# Altium PCB Controller.PcbDoc (part 2 of 2)
Units mm, origin at the board's own origin, x right, y up, seen from the top; angles counter-clockwise.
Board outline 100.09 x 134.06 mm, 4 copper layers (Top Layer, Signal Layer 1, Signal Layer 2, Bottom Layer), stack 1.55 mm thick; 184 components, 118 nets, 574 pads, 224 vias.
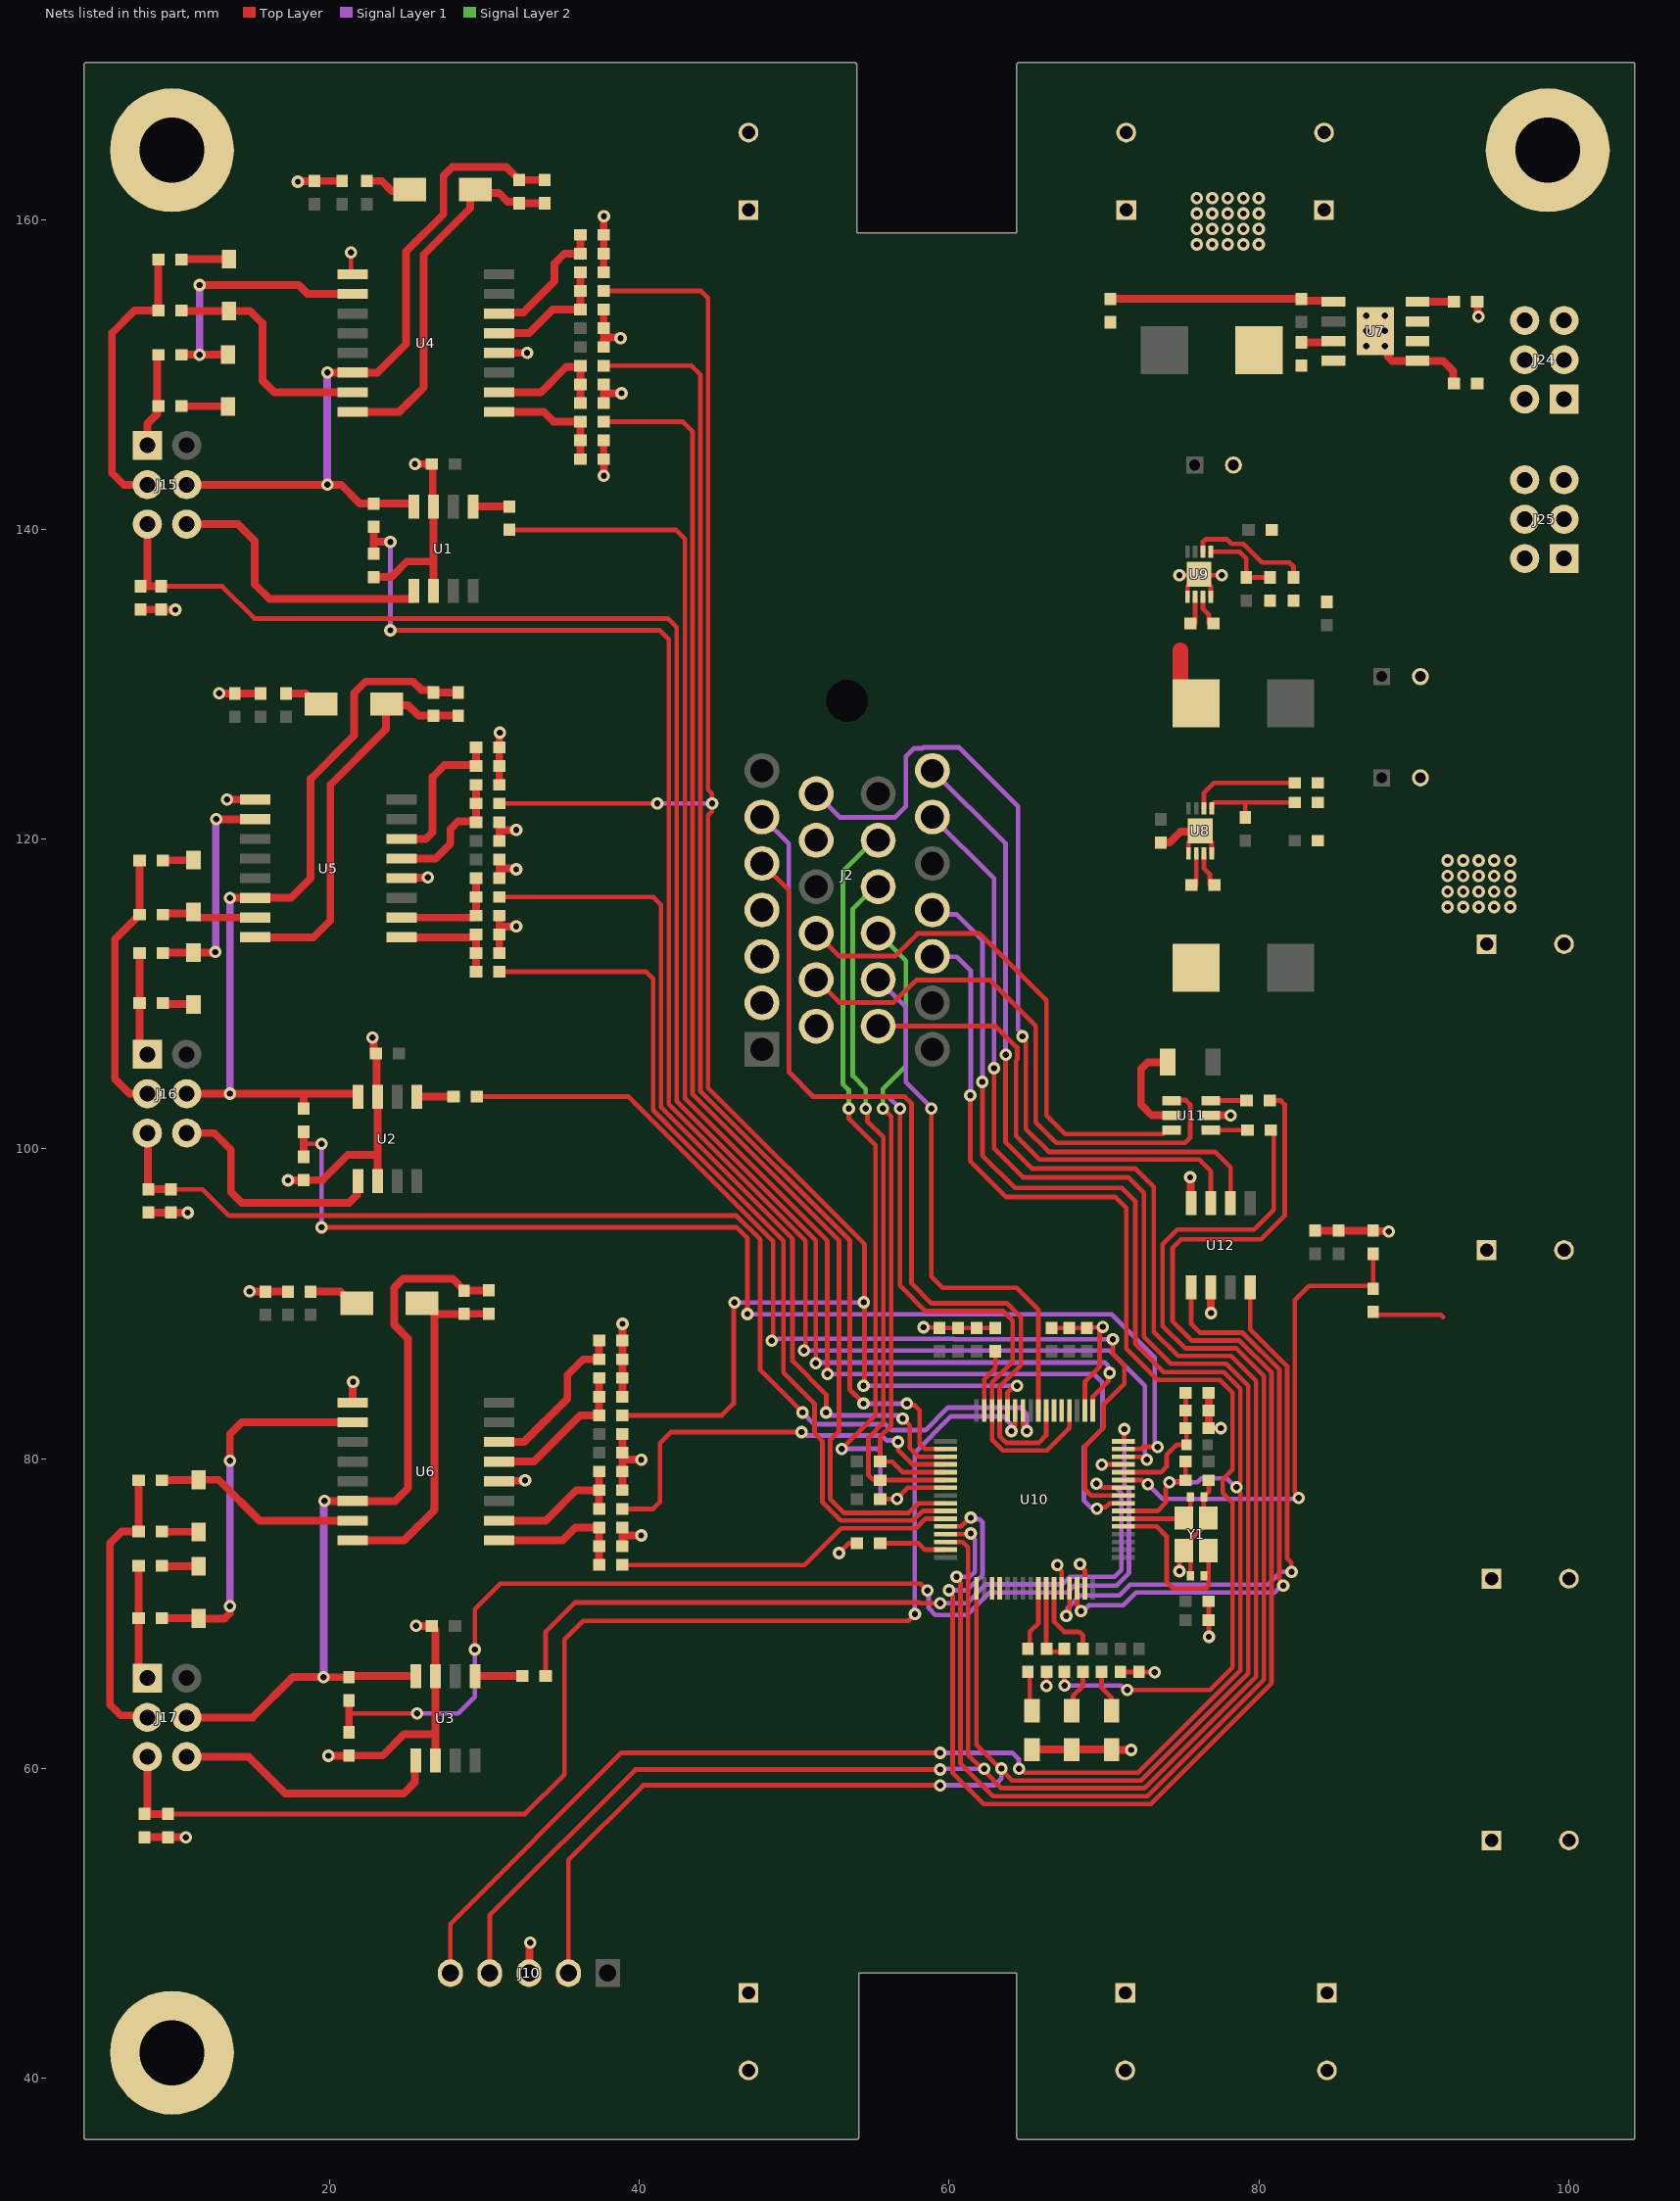
[diagram p4: the nets of this part, all layers, seen from the top]

## Via types
v1: diameter 0.8, hole 0.4, Top Layer to Bottom Layer, tented both sides, 224 vias

## Nets (pads, with @x,y where several pads share a name; then routed paths per layer and width w, separated by ;. In a path a pad name is that pad's centre, name@x,y a point inside that pad or via, vN(x,y) a via of type N, cw(c..) or ccw(c..) an arc to the next point about the centre after c; other vN are vias at no path point) (continued)
CAN_RX: U10.61 U12.4 | length 36.9
  Top Layer w0.3: 67.77,70.241 U10.61@67.77,71.646 ; U12.4@79.438,91.064 79.438,88.354 81.819,85.973 81.819,73.584 82.1,73.304 82.1,72.713 v1(82.105,72.707)
  Signal Layer 1 w0.3: v1(67.564,69.85) 67.643,69.929 67.643,70.373 68.453,71.183 70.993,71.183 71.683,71.874 80.564,71.874 81.398,72.707 v1(82.105,72.707)
CAN_TX: U10.62 U12.1 | length 38.6
  Top Layer w0.3: U10.62@68.27,71.646 68.27,70.549 68.516,70.303 v1(68.516,70.167) ; U12.1@75.629,91.064 75.629,88.709 76.2,88.138 78.948,88.138 81.319,85.766 81.319,72.204 81.569,71.954 v1(81.569,71.818)
  Signal Layer 1 w0.3: v1(68.516,70.167) 68.652,70.167 69.033,70.548 71.247,70.548 72.072,71.374 81.017,71.374 81.461,71.818 v1(81.569,71.818)
CANH: J2.14 U12.7 | length 30.8
  Top Layer w0.3: J2.14@55.428,107.928 63.015,107.928 64.405,106.537 64.405,105.772 64.325,105.693 64.325,100.829 65.841,99.314 76.137,99.314 76.898,98.552 U12.7@76.898,96.515
CANL: J2.13 U12.6 | length 56.6
  Top Layer w0.3: v1(64.729,107.274) 64.729,107.139 64.96,106.907 64.96,101.283 66.429,99.814 77.161,99.814 78.168,98.806 U12.6@78.168,96.515
  Signal Layer 1 w0.3: J2.13@51.428,122.928 52.953,121.403 56.506,121.403 57.213,122.11 57.213,125.349 57.721,125.857 58.272,125.857 58.338,125.923 60.64,125.923 64.453,122.111 64.453,107.685 64.729,107.409 v1(64.729,107.274)
DISABLE: R23.1 R35.1 R47.1 U10.28 | length 129.6
  Top Layer w0.3: R35.1@30.976,122.301 v1(41.168,122.301) ; R23.1@37.707,155.384 44.006,155.384 44.45,154.94 44.45,123.18 44.688,122.942 44.688,122.39 44.713,122.365 44.694,122.345 44.694,121.783 44.45,121.539 44.45,103.949 54.546,93.853 54.546,84.784 v1(54.483,84.721) ; R47.1@38.914,82.804 45.339,82.804 46.101,83.566 46.101,90.043 v1(46.149,90.091) ; U10.28@63.77,83.121 63.77,84.281 64.115,84.625 64.286,84.625 v1(64.382,84.721)
  Signal Layer 1 w0.3: v1(41.168,122.301) v1(44.713,122.301) ; v1(46.149,90.091) 46.153,90.095 50.318,90.095 50.322,90.091 54.476,90.091 v1(54.492,90.107) ; v1(54.483,84.721) v1(64.382,84.721)
DM: J2.9 U11.4 | length 37
  Top Layer w0.3: J2.9@51.428,110.928 52.903,109.453 56.43,109.453 57.88,110.903 62.643,110.903 65.596,107.95 65.596,101.727 66.929,100.393 75.248,100.393 75.565,100.711 75.565,102.87 75.278,103.157 74.414,103.157 U11.4@74.378,103.122
DP: J2.10 U11.6 | length 34
  Top Layer w0.3: J2.10@51.428,113.928 52.903,112.453 56.509,112.453 57.959,113.903 61.992,113.903 66.294,109.601 66.294,102.172 67.501,100.965 73.822,100.965 74.078,101.221 U11.6@74.378,101.221
ENCO_COS: J2.3
ENCO_SIN: J2.2
GND: C1.2 C2.2 C3.2 C4.1 C5.1 C6.1 C7.2 C8.2 C9.1 C10.1 C11.1 C12.2 C15.2 C16.2 C17.2 C18.1 C19.1 C20.1 C21.1 C22.1 C25.2 C26.2 C27.2 C28.1 C29.1 C30.1 C31.1 C32.1 C35.2 C36.2 C37.2 C38.1 C39.1 C40.1 C41.1 C42.1 C43.2 C44.2 C45.2 C46.2 C47.2 C48.2 C49.2 C61.1 C62.1 C63.1 C64.1 C65.1 C66.1 C67.1 C68.1 C69.1 C70.1 C71.1 C76.1 C77.1 C78.1 C79.1 C81.1 C82.1 C84.1 C85.1 C86.1 C87.1 C88.1 C89.1 C90.1 C91.1 C92.1 C93.2 C94.1 D10.1 D11.1 D12.1 J2.4 J2.8 J2.12 J10.3 J25.1 J25.2 J25.3 J25.4 J25.5 J25.6 pad.3 R8.1 R9.1 R10.1 R11.1 R12.1 R13.1 R14.1 R18.2 R19.2 R20.2 R24.1 R30.2 R31.2 R32.2 R36.1 R42.2 R43.2 R44.2 R48.1 R67.2 R69.2 R71.1 R72.1 U1.2 U1.7 U2.2 U2.7 U3.2 U3.7 U4.4 U4.9 U5.4 U5.9 U6.4 U6.9 U7.1 U7.9 U8.5 U8.8 U8.9 U9.5 U9.8 U9.9 U10.13 U10.18 U10.60 U10.63 U11.2 U12.2 U12.8 Y1.2 Y1.4 | length 178.8
  Top Layer w0.3: v1(17.97,162.433) v1@17.996,162.459 ; C21.1@19.024,162.459 C21.1@19.05,162.485 ; v1(21.399,157.861) 21.399,156.565 U4.9@21.501,156.464 ; v1(52.895,73.914) 53.531,74.549 C91.1@54.05,74.549 ; v1(58.356,88.495) 58.382,88.469 59.422,88.469 59.448,88.444 C61.1@61.785,88.444 C90.1@62.992,88.444 ; v1(66.294,65.341) C94.1@66.294,66.242 ; C63.1@66.611,88.444 C67.1@67.564,88.444 ; v1(66.992,73.152) 66.992,73.023 67.27,72.745 U10.60@67.27,71.646 ; C67.1@67.714,88.268 67.89,88.444 C62.1@68.897,88.444 68.935,88.481 69.685,88.481 69.723,88.444 69.838,88.444 v1(69.913,88.519) ; v1(68.453,73.215) 68.453,73.126 68.77,72.809 U10.63@68.77,71.646 ; U10.18@68.77,83.121 68.77,84.995 69.723,85.948 v1@69.723,88.328 ; v1(69.85,79.629) 69.855,79.634 U10.13@71.258,79.634 ; C64.1@71.056,66.242 C68.1@72.263,66.242 72.269,66.236 73.273,66.236 v1(73.279,66.23) ; v1(74.867,72.751) 74.867,73.791 Y1.4@75.146,74.07 ; v1(74.867,137.033) U9.9@76.073,137.033 ; U9.5@75.386,135.647 75.386,136.346 U9.9@76.073,137.033 ; U8.5@75.454,119.084 75.454,119.783 76.155,120.484 U8.9@76.204,120.534 76.954,119.783 U8.8@76.954,119.084 ; C87.1@75.577,72.453 75.577,73.639 Y1.4@75.146,74.07 ; C65.1@76.76,70.802 C69.1@76.76,69.596 76.766,69.59 76.766,68.522 v1(76.772,68.516) ; C92.1@76.76,78.613 76.76,77.859 76.584,77.683 76.517,77.683 76.442,77.608 C93.2@76.442,77.533 76.442,76.475 Y1.2@76.746,76.171 76.296,75.72 76.296,75.476 75.596,74.776 75.596,74.521 Y1.4@75.146,74.07 ; C76.1@76.76,81.978 v1(77.545,81.978) ; U9.8@76.887,135.647 76.887,136.346 U9.9@76.327,136.906 ; v1(77.597,137.033) 76.454,137.033 U9.9@76.327,136.906 ; U9.9@76.073,137.033 U9.9@76.136,137.096 U9.9@76.327,136.906
  Top Layer w0.5: C9.1@7.81,134.822 R12.1@9.144,134.822 9.156,134.81 v1@9.906,134.81 ; R14.1@8.064,55.574 C11.1@9.588,55.574 10.72,55.574 v1@10.731,55.562 ; C10.1@8.319,95.897 8.324,95.891 10.853,95.891 v1(10.858,95.885) ; v1(12.89,129.413) 12.896,129.407 13.901,129.407 C31.1@13.906,129.401 C32.1@15.557,129.401 ; v1(13.399,122.555) U5.9@15.214,122.555 ; v1(14.859,90.805) 14.865,90.799 15.869,90.799 C42.1@15.875,90.793 C41.1@17.335,90.793 ; v1(17.335,97.98) 17.341,97.986 18.346,97.986 R9.1@18.351,97.992 19.57,97.992 21.209,99.631 23.114,99.631 ; v1@17.996,162.459 C21.1@19.024,162.459 ; C21.1@19.05,162.485 C22.1@20.828,162.485 ; v1(19.939,60.833) 19.945,60.839 21.267,60.839 R10.1@21.273,60.845 23.443,60.845 24.828,62.23 26.86,62.23 ; U6.9@21.501,83.629 21.501,85.001 v1@21.526,85.026 ; v1(22.796,107.188) 22.854,107.131 22.854,106.297 22.979,106.172 C5.1@22.999,106.172 23.056,106.114 23.056,103.43 U2.7@23.114,103.373 23.114,99.631 ; R8.1@22.86,136.918 22.866,136.912 23.997,136.912 25.007,137.922 26.733,137.922 ; U2.2@23.114,97.922 23.114,99.631 ; U5.4@24.664,117.475 24.696,117.507 26.321,117.507 v1(26.352,117.538) ; v1(25.527,144.208) C4.1@26.618,144.208 26.676,144.151 26.676,141.53 U1.7@26.733,141.473 26.733,137.922 ; v1(25.59,69.215) C6.1@26.618,69.215 ; U1.2@26.733,136.022 26.733,137.922 ; U3.2@26.86,60.521 26.86,62.23 ; C6.1@26.86,68.998 U3.7@26.86,65.971 26.86,62.23 ; U6.4@30.95,78.549 30.982,78.581 32.607,78.581 v1(32.639,78.613) ; U4.4@30.95,151.384 v1(32.766,151.384) ; R32.2@30.976,112.649 C27.2@30.976,113.855 30.976,114.363 ; C26.2@30.976,115.062 30.976,114.363 ; R31.2@30.976,117.475 30.976,118.173 31.046,118.104 32.01,118.104 v1(32.067,118.046) ; C30.1@30.976,119.888 30.976,120.586 v1(32.067,120.586) ; R30.2@30.976,123.507 R36.1@30.976,124.714 C28.1@30.976,125.92 30.976,126.925 v1@30.988,126.936 ; v1(32.067,114.363) 30.976,114.363 ; J10.3@32.893,46.799 32.925,46.831 32.925,48.736 v1(32.956,48.768) ; R20.2@37.707,145.733 C17.2@37.707,144.526 37.713,144.52 37.713,143.452 v1(37.719,143.446) ; C16.2@37.707,148.145 37.707,148.844 37.771,148.78 v1(38.862,148.78) ; C20.1@37.707,151.765 37.707,152.463 ; C15.2@37.707,154.178 C19.1@37.707,152.971 37.707,152.463 ; R18.2@37.707,156.591 C18.1@37.707,159.004 37.707,160.262 v1@37.719,160.274 ; v1(38.798,152.336) 38.741,152.394 37.777,152.394 37.707,152.463 ; R44.2@38.914,74.358 38.914,75.057 v1(40.132,75.057) ; R43.2@38.914,77.978 C36.2@38.914,79.184 38.914,79.883 ; C40.1@38.914,81.597 C39.1@38.914,80.391 38.914,79.883 ; R42.2@38.914,84.01 C35.2@38.914,85.217 C38.1@38.914,86.423 R48.1@38.914,87.63 38.92,87.636 38.92,88.704 v1(38.925,88.709) ; v1(40.132,79.946) 38.977,79.946 38.914,79.883 ; D11.1@65.346,61.234 D10.1@67.917,61.234 D12.1@70.489,61.234 70.509,61.214 v1(71.755,61.214) ; C84.1@73.66,119.773 73.66,119.778 74.241,119.778 74.947,120.484 U8.9@76.155,120.484 ; v1(75.565,98.171) 75.597,98.139 75.597,96.546 U12.8@75.629,96.515 ; C76.1@76.76,81.978 C77.1@76.76,83.121 C78.1@76.76,84.264 ; U11.2@76.879,102.171 v1(78.168,102.171) ; v1(76.898,89.408) U12.2@76.898,91.064 ; C88.1@83.629,94.73 R11.1@87.376,94.73 87.402,94.704 88.366,94.704 v1(88.392,94.678) ; 88.304,151.169 88.597,150.876 U7.1@90.233,150.876 91.885,150.876 92.552,150.208 92.552,149.463 C71.1@92.583,149.432 ; R71.1@94.095,154.686 94.133,154.648 94.133,153.771 v1(94.17,153.733)
  other v1: 10.741,55.563 21.536,84.964 30.997,126.874 10.063,134.805 86.931,151.828 88.138,151.828 86.931,152.813 88.138,152.813 86.931,153.797 88.138,153.797 37.722,160.205
HALL_U: J2.16 R80.1 U10.37 | length 40.5
  Top Layer w0.3: v1(55.732,102.616) 56.261,102.087 56.261,82.129 55.551,81.419 R80.1@55.551,79.819 56.325,79.819 57.011,79.133 U10.37@59.782,79.133
  Signal Layer 2 w0.3: J2.16@55.428,113.928 57.213,112.142 57.213,105.346 55.732,103.865 v1(55.732,102.616)
HALL_V: J2.17 R81.1 U10.38 | length 45.1
  Top Layer w0.3: v1(54.631,102.616) 54.727,102.52 54.727,101.801 55.761,100.766 55.761,82.336 54.801,81.376 54.801,78.93 55.054,78.676 55.528,78.676 55.571,78.634 U10.38@59.782,78.634
  Signal Layer 2 w0.3: v1@54.62,102.616 54.62,103.876 53.785,104.712 53.785,115.506 55.206,116.928 J2.17@55.428,116.928
HALL_W: J2.18 R82.1 U10.39 | length 53.2
  Top Layer w0.3: v1(53.074,80.645) 55.261,82.832 55.261,100.245 54.097,101.409 53.53,101.976 v1(53.53,102.616) ; R82.1@55.551,77.406 v1(56.642,77.406) 56.642,77.446 57.329,78.134 U10.39@59.782,78.134
  Signal Layer 1 w0.3: v1(53.074,80.645) 55.395,80.645 55.571,80.469 55.571,77.715 55.88,77.406 v1(56.642,77.406)
  Signal Layer 2 w0.3: v1(53.53,102.616) 53.53,103.823 53.149,104.204 53.149,117.919 55.158,119.928 J2.18@55.428,119.928
ISENSE_U: R1.2 U10.8 | length 98.3
  Top Layer w0.3: R1.2@31.623,139.966 42.369,139.966 42.95,139.385 42.95,103.269 52.145,94.074 v1(52.145,85.471) ; v1(69.532,76.771) 69.628,76.867 70.109,76.867 70.376,77.134 U10.8@71.258,77.134
  Signal Layer 1 w0.3: v1(52.145,85.471) 69.342,85.471 69.913,84.899 69.913,81.978 68.707,80.772 68.707,77.28 69.119,76.867 69.437,76.867 v1(69.532,76.771)
ISENSE_V: R2.2 U10.9 | length 65.2
  Top Layer w0.3: R2.2@29.516,103.378 39.306,103.378 42.455,100.229 48.641,94.043 48.641,87.709 v1(48.562,87.63) ; v1(70.574,87.713) 70.574,86.779 71.31,86.043 71.31,84.836 69.977,83.502 69.977,82.042 68.77,80.835 68.77,78.042 69.179,77.633 U10.9@71.258,77.633
  Signal Layer 1 w0.3: v1(48.562,87.63) 48.657,87.726 48.968,87.726 48.987,87.745 60.323,87.745 60.355,87.713 v1(70.574,87.713)
ISENSE_W: R3.2 U10.10 | length 49.9
  Top Layer w0.3: R3.2@33.961,65.976 33.961,68.822 35.866,70.728 58.105,70.728 58.157,70.675 v1(59.436,70.675) ; 69.906,78.134 U10.10@71.258,78.134
  Signal Layer 1 w0.3: v1(59.436,70.675) 61.151,70.675 62.375,71.9 67.328,71.9 67.812,72.384 70.669,72.384 71.12,72.834 71.12,77.781 70.768,78.134 69.906,78.134 69.656,78.384 v1(69.521,78.384)
LED_GREEN: R74.2 U10.57 | length 4.1
  Top Layer w0.3: R74.2@65.215,67.743 65.215,68.834 65.77,69.39 U10.57@65.77,71.646
LED_RED: R73.2 U10.59 | length 5.2
  Top Layer w0.3: U10.59@66.77,71.646 66.77,69.501 67.437,68.834 68.389,68.834 68.644,68.58 R73.2@68.644,67.806
MISO_ADC_EXT2: U10.22
NetC13_2: C13.2 C14.2 D1.C U4.16 | length 24.1
  Top Layer w0.5: U4.16@21.501,147.574 24.511,147.574 26.098,149.161 26.098,157.734 29.082,160.718 29.082,161.425 29.348,161.69 29.654,161.69 D1.C@29.42,161.925 ; D1.C@29.845,161.718 30.937,161.718 31.515,161.14 32.166,161.14 C13.2@32.258,161.048 C14.2@33.909,161.048
NetC15_1: C15.1 R18.1 R23.2 U4.5 | length 8.3
  Top Layer w0.5: U4.5@30.95,152.654 32.893,152.654 34.417,154.178 C15.1@36.207,154.178 R23.2@36.207,155.384 R18.1@36.207,156.591
NetC16_1: C16.1 R19.1 R22.2 U4.2 | length 8.4
  Top Layer w0.5: U4.2@30.95,148.844 33.655,148.844 35.306,150.495 36.144,150.495 R22.2@36.207,150.558 C16.1@36.207,148.145
NetC17_1: C17.1 R20.1 R21.2 U4.1 | length 7.9
  Top Layer w0.5: U4.1@30.95,147.574 33.846,147.574 34.48,146.939 R21.2@36.207,146.939 C17.1@36.207,144.526
NetC18_2: C18.2 R24.2 U4.6 | length 8.7
  Top Layer w0.5: U4.6@30.95,153.924 31.026,153.999 32.524,153.999 34.544,156.019 34.544,157.162 35.179,157.797 R24.2@36.207,157.797 C18.2@36.207,159.004
NetC23_2: C23.2 C24.2 D4.C U5.16 | length 25.6
  Top Layer w0.5: U5.16@15.214,113.665 18.986,113.665 20.066,114.744 20.066,123.507 23.645,127.086 D4.C@23.645,128.67 ; D4.C@23.705,128.714 23.772,128.647 25.086,128.647 25.769,127.964 C23.2@26.733,127.964 C24.2@28.321,127.964
NetC25_1: C25.1 R30.1 R35.2 U5.5 | length 8.7
  Top Layer w0.5: U5.5@24.664,118.745 26.86,118.745 27.813,119.697 27.813,120.65 28.321,121.158 29.414,121.158 29.476,121.22 R35.2@29.476,122.301 R30.1@29.476,123.507
NetC26_1: C26.1 R31.1 R34.2 U5.2 | length 7.3
  Top Layer w0.5: U5.2@24.664,114.935 29.324,114.935 29.451,115.062 C26.1@29.476,115.062 R34.2@29.476,116.268 R31.1@29.476,117.475
NetC27_1: C27.1 R32.1 R33.2 U5.1 | length 7.3
  Top Layer w0.5: U5.1@24.664,113.665 29.26,113.665 29.451,113.855 29.476,113.83 R32.1@29.476,112.649 R33.2@29.476,111.442
NetC28_2: C28.2 R36.2 U5.6 | length 10.1
  Top Layer w0.5: U5.6@24.664,120.015 26.226,120.015 26.67,120.459 26.67,124.015 27.432,124.777 29.412,124.777 R36.2@29.476,124.714 C28.2@29.476,125.92
NetC33_2: C33.2 C34.2 D7.C U6.16 | length 23.3
  Top Layer w0.5: U6.16@21.501,74.739 24.828,74.739 26.797,76.708 26.797,89.543 26.297,90.043 D7.C@25.991,90.043 ; D7.C@26.987,89.356 C34.2@28.702,89.356 28.708,89.363 30.283,89.363 C33.2@30.29,89.369
NetC35_1: C35.1 R42.1 R47.2 U6.5 | length 9.7
  Top Layer w0.5: U6.5@30.95,79.819 33.21,79.819 36.195,82.804 R47.2@37.413,82.804 ; 37.401,83.185 37.413,83.197 R42.1@37.413,84.01 C35.1@37.413,85.217
NetC36_1: C36.1 R43.1 R46.2 U6.2 | length 9.7
  Top Layer w0.5: U6.2@30.95,76.009 33.972,76.009 35.941,77.978 R43.1@37.413,77.978 ; R46.2@37.413,76.771 R43.1@37.413,77.978 ; C36.1@37.413,79.184 R43.1@37.413,77.978
NetC37_1: C37.1 R44.1 R45.2 U6.1 | length 9.2
  Top Layer w0.5: U6.1@30.95,74.739 35.052,74.739 35.877,75.565 C37.1@37.413,75.565 R44.1@37.413,74.358 R45.2@37.413,73.152
NetC38_2: C38.2 R48.2 U6.6 | length 10.8
  Top Layer w0.5: U6.6@30.95,81.089 32.575,81.089 35.369,83.883 35.369,85.407 36.386,86.423 C38.2@37.413,86.423 R48.2@37.413,87.63
NetC72_1: C72.1 U7.7 | length 2
  Top Layer w0.5: C72.1@82.804,152.07 84.296,152.07 84.372,152.146 U7.7@84.809,152.146
NetC72_2: C72.2 L1.1 U7.8
NetC74_1: C74.1 L2.1 U8.6 | length 2.1
  Top Layer w0.3: U8.6@75.954,119.084 75.954,117.035 C74.1@75.958,117.03
NetC74_2: C74.2 U8.7 | length 2.2
  Top Layer w0.3: U8.7@76.454,119.084 76.454,118.11 76.835,117.729 76.835,117.043 C74.2@76.823,117.03
NetC75_1: C75.1 L3.1 U9.6 | length 5.6
  Top Layer w0.3: U9.6@75.887,135.647 75.887,133.93 C75.1@75.895,133.921
  Top Layer w1: 74.93,132.193 74.93,129.792 L3.1@75.944,128.778
NetC75_2: C75.2 U9.7 | length 1.9
  Top Layer w0.3: U9.7@76.386,135.647 76.386,134.878 76.759,134.505 C75.2@76.759,133.921
NetC85_2: C85.2 U8.2 | length 7.1
  Top Layer w0.3: U8.2@76.454,121.983 76.454,122.999 77.089,123.634 C85.2@82.308,123.634
NetC86_2: C86.2 U9.2 | length 8
  Top Layer w0.3: U9.2@76.386,138.546 76.386,139.178 76.562,139.354 77.943,139.354 78.232,139.065 78.994,139.065 80.2,137.858 81.978,137.858 82.233,137.604 C86.2@82.233,136.894
NetD1_A: D1.A R15.2 | length 3.9
  Top Layer w0.3: D1.A@24.63,162.485 D1.A@25.19,161.925
  Top Layer w0.5: R15.2@22.415,162.485 23.38,162.485 24.03,161.834 25.099,161.834 D1.A@25.19,161.925
NetD2_A: D2.A R16.1 | length 3.1
  Top Layer w0.5: R16.1@10.466,157.416 10.494,157.445 D2.A@13.525,157.445
NetD2_C: D2.C R17.1 U4.15 | length 15.4
  Top Layer w0.5: R17.1@10.466,154.114 10.48,154.1 13.525,154.1 14.874,154.1 15.684,153.289 15.684,149.606 16.447,148.844 U4.15@21.501,148.844
NetD3_A: D3.A R26.2 | length 3
  Top Layer w0.5: R26.2@10.466,147.955 10.48,147.941 13.448,147.941 D3.A@13.462,147.926
NetD3_C: D3.C R25.2 U4.10 | length 17.7
  Top Layer w0.5: R25.2@10.466,151.257 10.48,151.271 13.448,151.271 D3.C@13.462,151.286 ; v1@11.557,155.765 v1(11.63,155.765) 18.034,155.765 18.605,155.194 U4.10@21.501,155.194
  Signal Layer 1 w0.5: v1(11.63,151.258) v1(11.63,155.765)
NetD4_A: D4.A R27.2 | length 2.6
  Top Layer w0.5: R27.2@17.209,129.401 18.479,129.401 19.165,128.714 D4.A@19.475,128.714
NetD5_A: D5.A R28.1 | length 2
  Top Layer w0.5: R28.1@9.255,118.622 9.269,118.636 11.221,118.636 D5.A@11.235,118.651
NetD5_C: D5.C R29.1 U5.15 | length 6.3
  Top Layer w0.5: R29.1@9.255,115.13 9.336,115.21 11.155,115.21 D5.C@11.235,115.291 11.235,115.151 11.452,114.935 U5.15@15.214,114.935
NetD6_A: D6.A R38.2 | length 2
  Top Layer w0.5: R38.2@9.255,109.41 9.301,109.364 11.189,109.364 D6.A@11.235,109.318
NetD6_C: D6.C R37.2 U5.10 | length 14.5
  Top Layer w0.5: R37.2@9.255,112.649 9.269,112.663 11.221,112.663 D6.C@11.235,112.678 12.602,112.678 v1@12.636,112.712 ; v1(12.7,121.285) U5.10@15.214,121.285
  Signal Layer 1 w0.5: v1(12.646,112.713) 12.673,112.74 12.673,121.258 v1(12.7,121.285)
NetD7_A: D7.A R39.2 | length 3.3
  Top Layer w0.5: R39.2@18.796,90.793 20.701,90.793 21.451,90.043 D7.A@21.761,90.043
NetD8_A: D8.A R40.1 | length 2.4
  Top Layer w0.5: R40.1@9.196,75.311 9.21,75.297 11.543,75.297 D8.A@11.557,75.282
NetD8_C: D8.C R41.1 U6.15 | length 13.4
  Top Layer w0.5: R41.1@9.196,78.613 9.21,78.627 11.543,78.627 D8.C@11.557,78.642 12.862,78.642 15.494,76.009 U6.15@21.501,76.009
NetD9_A: D9.A R50.2 | length 2.4
  Top Layer w0.5: R50.2@9.196,73.088 9.213,73.071 11.54,73.071 D9.A@11.557,73.054
NetD9_C: D9.C R49.2 U6.10 | length 24.3
  Top Layer w0.5: R49.2@9.196,69.723 9.21,69.709 11.543,69.709 D9.C@11.557,69.694 13.243,69.694 13.589,70.04 v1(13.589,70.485) ; v1(13.589,79.883) 13.589,81.597 14.351,82.359 U6.10@21.501,82.359
  Signal Layer 1 w0.5: v1(13.589,70.485) v1(13.589,79.883)
NetD10_2: D10.2 R73.1 | length 3.1
  Top Layer w0.3: D10.2@67.917,63.734 68.008,63.825 68.008,64.706 68.644,65.341 68.644,66.306 R73.1@68.516,66.179
NetD11_2: D11.2 R74.1 | length 2.6
  Top Layer w0.3: R74.1@65.246,66.211 65.215,66.242 65.215,63.865 D11.2@65.346,63.734
NetD12_2: D12.2 R75.1 | length 2.8
  Top Layer w0.3: R75.1@69.85,66.306 69.85,65.214 70.485,64.579 70.485,63.738 D12.2@70.489,63.734
NetR1_1: R1.1 U1.5 | length 2.4
  Top Layer w0.5: U1.5@29.273,141.473 29.28,141.466 R1.1@31.623,141.466
NetR2_1: R2.1 U2.5 | length 2.4
  Top Layer w0.5: U2.5@25.654,103.373 25.659,103.378 R2.1@28.015,103.378
NetR3_1: R3.1 U3.5 | length 3.1
  Top Layer w0.5: U3.5@29.4,65.971 29.406,65.976 R3.1@32.46,65.976
NetR66_2: R66.2 R67.1 U8.1 | length 6.6
  Top Layer w0.3: U8.1@76.954,121.983 76.954,122.234 77.085,122.364 79.121,122.364 ; R66.2@79.121,121.4 79.121,122.364 ; R67.1@82.308,122.364 79.121,122.364
NetR68_2: R68.2 R69.1 U9.1 | length 5.2
  Top Layer w0.3: U9.1@76.887,138.546 78.751,138.546 79.184,138.113 R68.2@79.184,136.894 R69.1@80.709,136.894
NetR70_1: R70.1 R72.2 U7.5 | length 14.5
  Top Layer w0.5: R72.2@70.421,154.865 70.424,154.868 82.732,154.868 R70.1@82.735,154.871 82.844,154.761 84.734,154.761 U7.5@84.809,154.686
NetR71_2: R71.2 U7.4 | length 2
  Top Layer w0.5: U7.4@90.233,154.686 R71.2@92.214,154.686
NetR76_1: R76.1 U11.5 | length 6.5
  Top Layer w0.5: R76.1@74.11,105.6 72.834,105.6 72.39,105.156 72.39,102.87 73.088,102.171 U11.5@74.378,102.171
NetR78_2: R78.2 U11.1 | length 2.4
  Top Layer w0.3: U11.1@76.879,101.221 U11.1@76.879,101.221 79.259,101.22 R78.2@79.26,101.219
NetR79_2: R79.2 U11.3 | length 2.3
  Top Layer w0.3: U11.3@76.879,103.122 76.88,103.123 R79.2@79.196,103.124 R79.2@79.196,103.124
NRST: C92.2 J2.23 J10.5 R77.1 U10.7 | length 136.8
  Top Layer w0.3: J10.5@27.813,46.799 27.813,49.974 38.862,61.023 v1(59.436,61.023) ; v1(62.155,104.33) 62.155,99.58 64.248,97.486 71.17,97.486 72.022,96.634 72.022,87.427 73.85,85.598 77.724,85.598 78.803,84.518 78.803,78.546 ; 64.894,59.737 72.195,59.737 78.803,66.346 78.803,77.791 78.561,78.033 v1(78.561,78.168) ; U10.7@71.258,76.633 73.458,76.633 73.977,77.152 73.977,78.097 ; v1@74.295,78.549 75.11,78.549 75.173,78.486 75.259,78.572 75.259,79.531 R77.1@75.331,79.603 ; R77.1@75.27,79.603 R77.1@75.431,79.603
  Signal Layer 1 w0.3: J2.23@58.928,115.428 59.218,115.138 60.503,115.138 62.155,113.486 v1(62.155,104.33) ; v1(59.436,61.023) 64.072,61.023 64.507,60.588 64.507,59.989 v1(64.509,59.988) ; v1(74.231,78.486) 76.022,78.486 76.276,78.74 77.931,78.74 78.502,78.168 v1(78.561,78.168)
OSC1: C87.2 U10.5 Y1.1 | length 11.7
  Top Layer w0.3: U10.5@71.258,75.634 73.401,75.634 74.041,74.993 74.041,72.072 74.486,71.628 76.57,71.628 76.746,71.804 Y1.1@76.746,74.07 Y1.1@76.378,73.702
OSC2: C93.1 U10.6 Y1.3 | length 5.4
  Top Layer w0.3: U10.6@71.258,76.134 75.109,76.134 Y1.3@75.146,76.171 75.577,76.602 C93.1@75.577,77.533
OUT_U: J15.6 U1.1 | length 18.8
  Top Layer w0.5: J15.6@10.795,140.335 14.097,140.335 15.176,139.255 15.176,136.462 16.141,135.497 25.363,135.497 25.463,135.598 U1.1@25.463,136.022
OUT_V: J16.6 U2.1 | length 15.6
  Top Layer w0.5: J16.6@10.795,101.028 12.573,101.028 13.652,99.949 13.652,97.218 14.351,96.52 21.273,96.52 21.78,97.028 21.78,97.859 U2.1@21.844,97.922
OUT_W: J17.6 U3.1 | length 17.4
  Top Layer w0.5: J17.6@10.795,60.769 14.795,60.769 17.167,58.398 24.806,58.398 25.527,59.118 25.527,60.457 U3.1@25.59,60.521
PHASE_U: C13.1 C14.1 J15.5 R4.2 U1.8 U4.14 | length 47.4
  Top Layer w0.5: J15.5@10.795,142.875 20.764,142.875 21.983,141.657 R4.2@22.86,141.657 25.363,141.657 25.463,141.556 U1.8@25.463,141.473 ; v1(19.875,150.114) U4.14@21.501,150.114 23.114,150.114 24.956,151.955 24.956,157.924 27.368,160.337 27.368,162.814 27.94,163.385 31.421,163.385 32.108,162.698 32.133,162.698 32.258,162.573 C13.1@32.258,162.548 C14.1@33.909,162.548
  Signal Layer 1 w0.5: v1(19.875,142.876) v1(19.875,150.114)
PHASE_V: C23.1 C24.1 J16.5 R5.2 U2.8 U5.14 | length 50.8
  Top Layer w0.5: J16.5@10.795,103.568 v1(13.589,103.568) 18.415,103.568 ; v1(13.589,116.205) U5.14@15.214,116.205 17.526,116.205 18.796,117.475 18.796,123.888 21.59,126.682 21.59,129.413 22.352,130.175 25.4,130.175 25.96,129.615 26.608,129.615 26.733,129.49 C23.1@26.733,129.465 C24.1@28.321,129.465 ; R5.2@18.351,102.604 18.351,103.505 18.415,103.568 ; 21.463,103.568 18.415,103.568 ; U2.8@21.744,103.632 21.844,103.532 U2.8@21.844,103.373
  Signal Layer 1 w0.5: v1(13.589,103.568) v1(13.589,116.205)
PHASE_W: C33.1 C34.1 J17.5 R6.2 U3.8 U6.14 | length 52.8
  Top Layer w0.5: J17.5@10.795,63.309 15.05,63.309 17.653,65.913 v1(19.621,65.913) 19.627,65.907 21.147,65.907 21.15,65.904 R6.2@21.15,65.901 ; v1(19.685,77.279) U6.14@21.501,77.279 24.257,77.279 25.082,78.105 25.082,87.757 24.194,88.646 24.194,91.059 24.765,91.63 27.953,91.63 28.702,90.882 C34.1@28.702,90.857 28.708,90.863 30.283,90.863 C33.1@30.29,90.869 ; R6.2@21.4,65.863 21.508,65.971 U3.8@25.59,65.971
  Signal Layer 1 w0.5: v1(19.621,65.913) 19.653,65.945 19.653,77.248 v1(19.685,77.279)
PWM_U_HIGH: R21.1 U10.41 | length 87.1
  Top Layer w0.3: R21.1@37.707,146.939 42.815,146.939 43.45,146.304 43.45,103.535 47.343,99.642 52.895,94.09 52.895,81.788 52.324,81.216 52.324,77.407 53.213,76.517 57.404,76.517 58.02,77.134 U10.41@59.782,77.134
PWM_U_HIGH1: J15.2 R16.2 R17.2 | length 18.5
  Top Layer w0.5: J15.2@8.255,142.875 6.731,142.875 5.969,143.637 5.969,152.654 7.429,154.114 R17.2@8.965,154.114 R16.2@8.965,157.416
PWM_U_LOW: R22.1 U10.34 | length 85
  Top Layer w0.3: R22.1@37.707,150.558 43.379,150.558 43.95,149.987 43.95,103.742 53.594,94.098 53.594,84.455 v1(54.483,83.566) ; v1(57.277,83.566) 57.373,83.47 57.754,83.47 58.102,83.122 58.102,80.963 58.432,80.634 U10.34@59.782,80.634
  Signal Layer 1 w0.3: v1(54.483,83.566) v1(57.277,83.566)
PWM_U_LOW1: J15.1 R25.1 R26.1 | length 6.1
  Top Layer w0.5: J15.1@8.26,145.42 J15.1@8.255,145.415 8.255,146.812 8.89,147.447 8.89,151.182 R25.1@8.965,151.257
PWM_V_HIGH: R33.1 U10.42 | length 57.1
  Top Layer w0.3: R33.1@30.976,111.442 40.45,111.442 40.894,110.998 40.894,102.497 42.955,100.436 49.312,94.079 49.312,85.562 51.32,83.554 51.32,81.649 51.824,81.145 51.824,77.199 53.006,76.018 57.666,76.018 58.282,76.633 U10.42@59.782,76.633
PWM_V_HIGH1: J16.2 R28.2 R29.2 | length 17.3
  Top Layer w0.5: R28.2@7.755,118.622 R29.2@7.755,115.13 7.73,115.13 7.605,115.004 7.605,114.979 6.159,113.534 6.159,104.521 7.121,103.559 8.246,103.559 J16.2@8.255,103.568
PWM_V_LOW: R34.1 U10.35 | length 57.6
  Top Layer w0.3: R34.1@30.976,116.268 40.894,116.268 41.402,115.76 41.402,102.696 43.455,100.643 49.895,94.202 49.895,86.313 52.07,84.138 v1(52.07,82.994) ; v1(57.011,82.602) 57.468,82.146 57.468,80.708 58.043,80.133 U10.35@59.782,80.133
  Signal Layer 1 w0.3: v1(52.07,82.994) 52.205,82.994 52.396,82.804 56.674,82.804 56.876,82.602 v1(57.011,82.602)
PWM_V_LOW1: J16.1 R37.1 R38.1 | length 6.7
  Top Layer w0.5: R37.1@7.755,112.649 R38.1@7.755,109.41 7.755,106.609 J16.1@8.255,106.108
PWM_W_HIGH: R45.1 U10.43 | length 22.1
  Top Layer w0.3: R45.1@38.914,73.152 50.673,73.152 53.039,75.518 57.873,75.518 58.489,76.134 U10.43@59.782,76.134
PWM_W_HIGH1: J17.2 R40.2 R41.2 | length 18.6
  Top Layer w0.5: R41.2@7.696,78.613 R40.2@7.696,75.311 6.604,75.311 5.842,74.549 5.842,64.135 6.54,63.436 8.128,63.436 J17.2@8.255,63.309
PWM_W_LOW: R46.1 U10.36 | length 26.4
  Top Layer w0.3: R46.1@38.914,76.771 40.894,76.771 41.338,77.216 41.338,81.026 42.037,81.724 v1(50.482,81.724) ; v1@56.706,81.153 56.706,80.581 57.653,79.634 U10.36@59.782,79.634
  Signal Layer 1 w0.3: v1(50.482,81.724) 50.618,81.724 50.84,81.502 55.658,81.502 55.974,81.186 56.619,81.186 v1(56.715,81.09)
PWM_W_LOW1: J17.1 R49.1 R50.1 | length 7.5
  Top Layer w0.5: R50.1@7.695,73.088 R49.1@7.695,69.723 7.695,66.409 J17.1@8.255,65.849
RC_PWM: J2.22 R83.1 | length 74.2
  Top Layer w0.3: v1(61.366,103.461) 61.366,99.225 63.691,96.901 70.739,96.901 71.438,96.202 71.438,87.122 73.47,85.09 77.47,85.09 78.295,84.264 78.295,79.311 77.66,78.676 77.66,77.787 78.304,77.144 78.304,66.553 76.838,65.087 v1(71.501,65.087) ; R83.1@67.437,66.306 67.442,66.301 67.442,65.365 v1(67.448,65.359)
  Signal Layer 1 w0.3: J2.22@58.928,112.428 58.948,112.407 60.503,112.407 61.404,111.506 v1@61.404,103.568 ; v1@67.46,65.382 67.483,65.359 71.094,65.359 71.366,65.087 v1(71.501,65.087)
RX_SDA_NSS: J2.6 U10.20 U10.30 | length 60.3
  Top Layer w0.3: J2.6@47.895,121.428 J2.6@47.928,121.428 ; v1(56.832,102.616) 56.832,91.186 58.483,89.535 63.5,89.535 64.11,88.925 64.11,86.271 62.77,84.931 62.77,83.629 U10.30@62.77,83.121 62.77,81.239 63.471,80.538 66.314,80.538 67.77,81.994 U10.20@67.77,83.121
  Signal Layer 1 w0.3: J2.6@47.928,121.428 49.657,119.699 49.657,104.966 51.245,103.378 56.082,103.378 v1@56.832,102.628
SCK_ADC_EXT: U10.21
SERVO: C94.2 R83.2 U10.58 | length 5.4
  Top Layer w0.3: U10.58@66.27,71.646 66.27,67.575 66.294,67.552 67.044,67.552 67.056,67.564 67.212,67.564 67.437,67.789 R83.2@67.437,67.806
SWCLK: J2.25 J10.2 U10.49 | length 139.3
  Top Layer w0.3: J10.2@35.433,46.799 35.433,54.102 40.259,58.928 v1(59.436,58.928) ; U10.49@61.77,71.646 61.77,61.547 64.08,59.237 72.402,59.237 79.311,66.147 79.311,84.718 78.998,85.031 77.891,86.138 74.326,86.138 72.581,87.884 72.581,97.155 71.565,98.171 64.77,98.171 62.905,100.036 v1(62.905,105.219)
  Signal Layer 1 w0.3: J2.25@58.928,121.428 62.905,117.451 v1(62.905,105.219) ; v1(59.436,58.928) 62.928,58.928 63.373,59.372 v1(63.373,60.007)
SWDIO: J2.26 J10.4 U10.46 | length 150.2
  Top Layer w0.3: J10.4@30.353,46.799 30.353,50.546 39.752,59.945 v1@59.509,59.945 ; U10.46@59.782,74.634 60.875,74.634 61.236,74.273 61.236,60.885 62.136,59.985 v1(62.271,59.985) ; v1@62.293,60.007 62.293,59.828 63.384,58.737 72.61,58.737 79.819,65.947 79.819,85.026 78.208,86.638 74.779,86.638 73.215,88.201 73.215,97.536 72.009,98.742 65.342,98.742 63.655,100.429 v1(63.655,106.082)
  Signal Layer 1 w0.3: J2.26@58.928,124.428 63.655,119.701 v1(63.655,106.082) ; v1@59.499,60.007 59.522,59.985 v1(62.271,59.985)
  other v1: 59.436,59.945
TEMP_MOTOR: J2.15 U10.24 | length 34.9
  Top Layer w0.3: J2.15@55.428,110.842 J2.15@55.428,110.928 ; v1(58.853,102.616) 58.853,91.769 59.587,91.035 64.35,91.035 65.77,89.614 65.77,83.797 U10.24@65.77,83.121
  Signal Layer 1 w0.3: J2.15@55.428,110.928 57.213,109.142 57.213,104.319 v1@58.853,102.679
TEMP_U: C9.2 J15.3 R12.2 U10.17 | length 112.8
  Top Layer w0.3: R12.2@9.144,136.323 13.093,136.323 15.176,134.239 41.847,134.239 42.418,133.668 42.418,103.094 51.395,94.117 v1(51.395,86.172) ; U10.17@69.27,83.121 69.27,84.002 70.279,85.011 70.279,85.473 v1(70.363,85.556)
  Top Layer w0.5: J15.3@8.255,140.335 8.255,136.386 8.319,136.323 R12.2@9.144,136.323
  Signal Layer 1 w0.3: v1(51.395,86.172) 51.444,86.221 70.052,86.221 70.267,86.006 70.267,85.652 v1(70.363,85.556)
TEMP_V: C10.2 J16.3 R13.2 U10.26 | length 75.1
  Top Layer w0.3: R13.2@9.779,97.397 11.823,97.397 13.525,95.694 46.282,95.694 47.816,94.161 47.816,90.144 47.812,90.14 47.812,85.729 v1(50.546,82.994) ; U10.26@64.77,83.121 64.77,82.177 65.024,81.923 v1(65.024,81.788)
  Top Layer w0.5: J16.3@8.255,101.028 8.287,100.997 8.287,97.429 C10.2@8.319,97.397 R13.2@9.779,97.397
  Signal Layer 1 w0.3: v1(50.546,82.994) 51.308,82.232 55.912,82.232 56.293,81.851 58.483,81.851 59.944,83.312 64.579,83.312 65.024,82.867 v1(65.024,81.788)
TEMP_W: C11.2 J17.3 R14.2 U10.27 | length 83.2
  Top Layer w0.3: C11.2@9.588,57.075 32.627,57.075 35.179,59.626 35.179,68.326 36.386,69.532 57.368,69.532 57.794,69.958 v1(57.794,69.978) ; 64.27,82.169 U10.27@64.27,83.121
  Top Layer w0.5: R14.2@8.064,57.075 8.255,57.075 C11.2@9.588,57.075 ; R14.2@8.064,57.1 8.255,57.29 J17.3@8.255,60.769
  Signal Layer 1 w0.3: v1(57.794,69.978) 57.785,69.987 57.785,80.391 60.134,82.74 63.5,82.74 64.008,82.232 64.008,81.804 v1(64.024,81.788)
TX_SCL_MOSI: J2.5 U10.23 U10.29 | length 55.8
  Top Layer w0.3: J2.5@47.928,118.427 49.657,116.698 49.657,104.966 51.245,103.378 52.133,103.378 57.143,103.378 57.582,102.939 57.582,91.325 58.873,90.035 63.762,90.035 64.643,89.154 64.643,86.042 63.27,84.67 U10.29@63.27,83.121 63.27,81.446 63.563,81.153 63.598,81.153 63.713,81.038 65.798,81.038 66.27,81.51 U10.23@66.27,83.121
UART_RX: U10.52
UART_TX: U10.51
USB_DM: R79.1 U10.44 | length 94.3
  Top Layer w0.254: v1(59.986,71.517) v1@59.986,71.665
  Top Layer w0.3: U10.44@59.782,75.634 60.775,75.634 61.341,76.2 v1(61.404,76.2) ; v1(59.986,71.517) 59.986,71.382 60.236,71.132 60.236,59.716 62.23,57.721 73.008,57.721 80.819,65.533 80.819,85.559 78.741,87.638 75.684,87.638 74.422,88.9 74.422,93.599 74.993,94.17 80.137,94.17 81.661,95.694 81.661,102.87 81.407,103.124 R79.1@80.697,103.124
  Signal Layer 1 w0.3: v1(59.986,71.517) 61.176,71.517 62.166,72.508 62.166,75.882 61.945,76.104 61.5,76.104 v1(61.404,76.2)
USB_DP: R78.1 U10.45 | length 87.3
  Top Layer w0.3: U10.45@59.782,75.133 61.354,75.133 v1(61.404,75.184) ; v1(60.486,72.384) 60.486,72.248 60.736,71.998 60.736,60.342 62.856,58.221 72.801,58.221 80.319,65.74 80.319,85.352 78.533,87.138 75.231,87.138 73.787,88.582 73.787,93.853 74.739,94.805 79.692,94.805 80.962,96.075 80.962,101.017 R78.1@80.76,101.219
  Signal Layer 1 w0.3: v1(60.486,72.384) v1(60.486,72.384) 61.336,72.385 61.667,72.716 61.667,74.803 61.404,75.065 v1(61.404,75.184)
VCAP1: C90.2 U10.31 | length 4.1
  Top Layer w0.3: U10.31@62.27,83.121 62.27,85.139 62.992,85.861 C90.2@62.992,86.943
VCAP2: C91.2 U10.47 | length 4.4
  Top Layer w0.3: C91.2@55.551,74.549 58.039,74.549 58.455,74.133 U10.47@59.782,74.133
VDDA: C76.2 C77.2 C78.2 FL.2 U10.12 | length 8.3
  Top Layer w0.3: U10.12@71.258,79.133 73.672,79.133 74.041,79.502 74.041,80.264 74.676,80.899 FL.2@75.335,80.899 75.335,82.071 75.259,82.146 75.259,82.931 75.281,82.953 C78.2@75.281,83.947
VIN+: C7.1 C8.1 C12.1 C43.1 C44.1 C45.1 C46.1 C47.1 C48.1 C49.1 C71.2 J24.1 J24.2 J24.3 J24.4 J24.5 J24.6 R7.2 U7.2 U7.3 | length 4.6
  Top Layer w0.3: R7.2@87.376,89.299 91.74,89.299 91.885,89.154
  other v1: 92.186,115.618 93.186,115.618 94.186,115.618 95.186,115.618 96.225,115.612 92.187,116.618 93.187,116.618 94.187,116.618 95.186,116.618 96.225,116.612 92.187,117.618 93.187,117.618 94.187,117.618 95.186,117.618 96.225,117.612 96.225,118.612 92.187,118.618 93.187,118.618 94.187,118.618 95.186,118.618 75.989,158.385 76.989,158.385 77.989,158.384 78.989,158.384 79.989,158.384 75.989,159.384 76.989,159.384 77.989,159.384 78.989,159.384 79.989,159.384 75.989,160.385 76.989,160.385 77.989,160.384 78.989,160.384 79.989,160.384 75.989,161.385 76.989,161.385 77.989,161.384 78.989,161.384 79.989,161.384
VSENSE: R7.1 R11.2 U10.11 | length 32
  Top Layer w0.3: U10.11@71.258,78.634 72.428,78.634 72.702,78.359 v1(72.834,78.359) ; v1(82.569,77.47) 82.569,77.605 82.319,77.855 82.319,90.257 83.231,91.168 87.376,91.168 R11.2@87.376,92.982
  Signal Layer 1 w0.3: v1(72.834,78.359) 73.775,77.418 82.518,77.418 v1(82.569,77.47)
VSENSE_U: R4.1 R8.2 U10.14 | length 105.7
  Top Layer w0.3: v1(23.939,133.477) 41.339,133.477 41.918,132.898 41.918,102.887 43.955,100.851 50.736,94.069 50.736,87.086 v1(50.645,86.995) ; U10.14@71.258,80.133 72.449,80.133 72.636,79.946 v1(72.771,79.946)
  Top Layer w0.5: R8.2@22.86,138.418 22.86,139.192 ; R4.1@22.86,140.156 22.86,139.192 ; v1(23.939,139.192) 22.86,139.192
  Signal Layer 1 w0.3: v1(23.939,133.477) v1(23.939,139.192) ; v1(50.645,86.995) 70.358,86.995 72.636,84.717 72.636,80.372 72.675,80.333 72.675,80.042 v1(72.771,79.946)
VSENSE_V: R5.1 R9.2 U10.15 | length 76.4
  Top Layer w0.3: 18.351,100.298 18.383,100.33 v1(19.494,100.33) ; v1(19.494,94.944) 46.28,94.944 46.99,94.234 v1(46.99,89.344) ; U10.15@71.258,80.634 72.397,80.634 72.536,80.772 v1(73.469,80.772)
  Top Layer w0.5: R9.2@18.351,99.493 18.351,100.298 R5.1@18.351,101.104
  Signal Layer 1 w0.3: v1(19.494,94.944) v1(19.494,100.33) ; v1(46.99,89.344) 47.005,89.33 70.5,89.33 73.279,86.55 73.279,81.089 73.469,80.899 v1(73.469,80.772)
VSENSE_W: R6.1 R10.2 U10.16 | length 72
  Top Layer w0.3: 21.273,63.563 v1(25.654,63.563) ; v1(29.4,67.691) 29.4,70.294 31.051,71.945 58.166,71.945 v1(58.61,71.501) ; U10.16@71.258,81.134 71.31,81.134 v1(71.31,81.915)
  Top Layer w0.5: R10.2@21.273,62.345 21.273,63.563 R6.1@21.273,64.401
  Signal Layer 1 w0.3: v1(25.654,63.563) 28.321,63.563 29.4,64.643 v1(29.4,67.691) ; v1(58.61,71.501) 58.686,71.425 58.686,70.365 59.125,69.926 61.163,69.926 62.611,71.374 67.642,71.374 68.086,71.818 70.811,71.818 71.62,72.627 71.62,77.988 71.31,78.298 v1(71.31,81.915)
pads on no net: J2.21 J2.27 U1.4 U2.4 U3.4 U4.7 U4.12 U4.13 U5.7 U5.12 U5.13 U6.7 U6.12 U6.13 U7.6 U10.2 U10.3 U10.4 U10.33 U10.40 U10.50 U10.53 U10.54 U10.55 U10.56

## Polygon pours and split planes (outlines as drawn)
no net on Top Overlay "GND_L04_P-001" (solid, remove dead copper, shelved): 85.699,69.364 82.899,66.564 82.899,61.164 85.699,58.364 91.299,58.364 94.099,61.164 94.099,66.564 91.299,69.364
GND on Top Layer "GND_L01_P027" (solid, remove dead copper, pour order 27): 4.3,170 4.3,36.195 54.038,36.195 54.038,46.926 64.5,46.926 64.5,36.195 104.14,36.195 104.14,170 64.5,170 64.5,159.004 54.292,159.004 53.911,159.385 53.911,170
+3V3 on Top Layer "+3V3_L01_P026" (solid, remove dead copper, pour order 26): 69.127,72.189 70.723,73.786 73.181,73.786 73.62,73.347 73.62,71.91 74.347,71.183 75.755,71.183 75.755,68.008 75.087,67.34 69.476,67.34 69.476,68.796 69.112,69.16
VIN+ on Top Layer "VIN+_L01_P011" (solid, remove dead copper, pour order 11): 40.64,49.212 47.752,49.212 50.546,52.006 86.868,52.006 91.249,56.388 91.249,119.38 97.028,119.38 97.028,69.723 99.504,67.246 99.504,58.229 97.663,56.388 97.663,47.688 93.345,43.37 40.703,43.37 40.64,43.434
+5V on Top Layer "+5V_L01_P010" (solid, remove dead copper, pour order 10): 78.422,120.459 78.432,120.45 78.432,116.132 79.692,114.871 79.692,108.013 79.725,108.046 82.011,108.046 88.9,114.935 88.9,124.777 86.042,124.777 86.042,119.003 85.153,118.114 82.865,118.114 82.865,120.295 82.827,120.332 78.422,120.332
NetC74_1 on Top Layer "NETC74_1_L01_P009" (solid, remove dead copper, pour order 9): 75.819,117.729 75.248,117.157 72.136,117.157 72.136,108.013 77.787,108.013 77.787,113.982 76.099,115.671 76.099,117.729
+3V3 on Top Layer "+3V3_L01_P008" (solid, remove dead copper, pour order 8): 78.295,135.826 78.295,127.19 88.9,127.19 88.9,134.239 79.692,134.239 79.692,135.826
NetC75_1 on Top Layer "NETC75_1_L01_P007" (solid, remove dead copper, pour order 7): 75.741,134.972 74.422,133.653 74.422,127.232 74.431,127.224 77.466,127.224 77.469,127.221 77.469,131.7 76.036,133.133 76.036,134.466 76.036,134.941
+12V on Top Layer "+12V_L01_P006" (solid, remove dead copper, pour order 6): 72.136,153.122 72.136,120.84 74.041,120.84 75.031,121.83 76.101,121.83 76.101,126.355 76.106,126.359 76.1,126.365 73.914,126.365 73.914,137.477 74.825,138.389 76.035,138.389 76.035,141.948 76.835,142.748 76.835,153.116 76.834,153.117
VIN+ on Top Layer "VIN+_L01_P005" (solid, remove dead copper, pour order 5): 89.916,153.733 93.218,153.733 93.218,153.416 93.853,152.781 94.488,152.781 95.102,153.395 95.102,155.469 93.726,156.845 69.596,156.845 65.977,153.225 50.101,153.225 43.878,159.448 43.878,162.814 43.831,162.861 53.816,162.861 53.816,159.1 53.911,159.004 64.5,159.004 64.5,162.868 64.51,162.877 104.076,162.877 104.14,162.814 104.14,146.939 95.504,146.939 93.599,148.844 93.599,150.685 92.463,151.822 89.918,151.822
NetC72_2 on Top Layer "NETC72_2_L01_P003" (solid, remove dead copper, pour order 3): 85.598,151.32 85.598,150.358 85.035,149.794 77.853,149.794 77.597,150.05 77.597,153.289 81.597,153.289 81.597,152.336 81.597,151.32
GND on Bottom Layer "GND_L04_P028" (solid, remove dead copper, pour order 28): 4.3,170 4.3,36.195 54.038,36.195 54.038,46.609 53.721,46.926 64.5,46.926 64.5,36.195 104.14,36.195 104.14,170 64.5,170 64.5,159.004 64.452,159.052 53.864,159.052 53.864,169.952 53.911,170
+3V3 on Bottom Layer "+3V3_L04_P021" (solid, remove dead copper, pour order 21): 66.744,128.844 67.44,129.54 70.168,129.54 70.168,127.127 67.437,127.127 66.739,127.825
VIN+ on Bottom Layer "VIN+_L04_P012" (solid, remove dead copper, pour order 12): 75.12,162.75 75.12,149.923 79.663,145.381 79.663,120.87 85.852,114.681 96.965,114.681 96.965,119.316 97.028,119.38 88.773,119.38 85.471,122.682 85.471,148.463 80.899,153.035 80.899,162.75
+3V3 on Signal Layer 2 "+3V3_L03_P025" (solid, remove dead copper, pour order 25): 70.993,71.183 70.993,68.576 72.069,67.5 75.248,67.5 75.755,68.008 75.755,69.723 73.604,71.874 71.683,71.874
+12V on Signal Layer 2 "+12V_L03_P024" (solid, remove dead copper, pour order 24): 72.644,140.335 75.565,140.335 75.565,142.748 72.581,142.748 71.438,141.605 71.438,141.351
+3V3 on Signal Layer 2 "+3V3_L03_P023" (solid, remove dead copper, pour order 23): 85.534,129.54 86.296,130.302 88.773,130.302 88.773,127.635 88.328,127.19 70.555,127.19 70.549,127.196 70.472,127.12 67.381,127.12 66.484,128.016 66.484,128.584 67.44,129.54
no net on Signal Layer 2 "NONET_L03_P022" (solid, remove dead copper, pour order 22): 66.744,128.844 67.44,129.54 70.168,129.54 70.168,127.127 67.373,127.127 66.739,127.762 66.739,127.825
+12V on Signal Layer 2 "+12V_L03_P020" (solid, remove dead copper, pour order 20): 72.136,122.936 72.644,122.428 73.85,122.428 74.358,122.936 74.358,123.634 74.295,123.698 72.136,123.698
+5V on Signal Layer 2 "+5V_L03_P019" (solid, remove dead copper, pour order 19): 83.629,114.173 83.058,114.173 80.835,111.95 80.835,111.696 81.216,111.315 82.428,111.315 83.063,110.68 83.858,110.68
+3V3 on Signal Layer 2 "+3V3_L03_P017" (solid, remove dead copper, pour order 17): 86.36,134.239 86.36,127.19 88.9,127.19 88.9,134.239
+5V on Signal Layer 2 "+5V_L03_P016" (solid, remove dead copper, pour order 16): 83.058,114.173 83.058,110.668 83.07,110.68 84.645,110.68 85.471,111.506 85.471,113.728 85.026,114.173
+12V on Signal Layer 2 "+12V_L03_P015" (solid, remove dead copper, pour order 15): 74.333,126.365 74.369,126.329 74.358,126.319 74.358,123.317 72.136,123.317 72.136,126.365 72.136,123.317 72.136,126.365

## Keep-outs
Keep-Out Layer:
  circle w0.254: c18.543,138.565 r1.843
  circle w0.254: c97.842,41.665 r1.843
  circle w0.254: c97.842,82.665 r1.843
  circle w0.254: c97.842,123.414 r1.843
  circle w0.254: c18.543,107.665 r1.843
  circle w0.254: c52.642,63.881 r1.843
  circle w0.254: c52.643,143.494 r1.843
  circle w0.254: c88.493,63.865 r5.346
  circle w0.254: c88.493,103.679 r5.346
  circle w0.254: c88.493,143.517 r5.346
  lines w0.254: 4.3,36.195 54.038,36.195 54.038,46.926 64.5,46.926 64.5,36.195 104.14,36.195 104.14,170 64.5,170 64.5,159.004 53.911,159.004 53.911,170 4.3,170 4.3,36.195

## Silkscreen, mask and mechanical layers (free items; w line width, h text height)
Mechanical 1:
  lines w0.1: 94.3,193.574 94.676,193.95
  lines w0.254: 94.275,190.575 94.325,190.525

## Dimensions
4.3,36.195 to 59.372,35.369 on Top Overlay
4.3,170 to 104.14,170 on Top Overlay
104.14,170 to 104.14,36.195 on Top Overlay